# Altium PCB HTBLEBMSALL24S100A_PCB_V0.2_260323.pcbdoc (part 4 of 7)
Units mm, origin at the board's own origin, x right, y up, seen from the top; angles counter-clockwise.
Board outline 212.1 x 87.6 mm, 2 copper layers (Top Layer, Bottom Layer), stack 1.56 mm thick; 927 components, 443 nets, 2867 pads, 2632 vias.
Unrouted connection lines stored in the file: 1161.
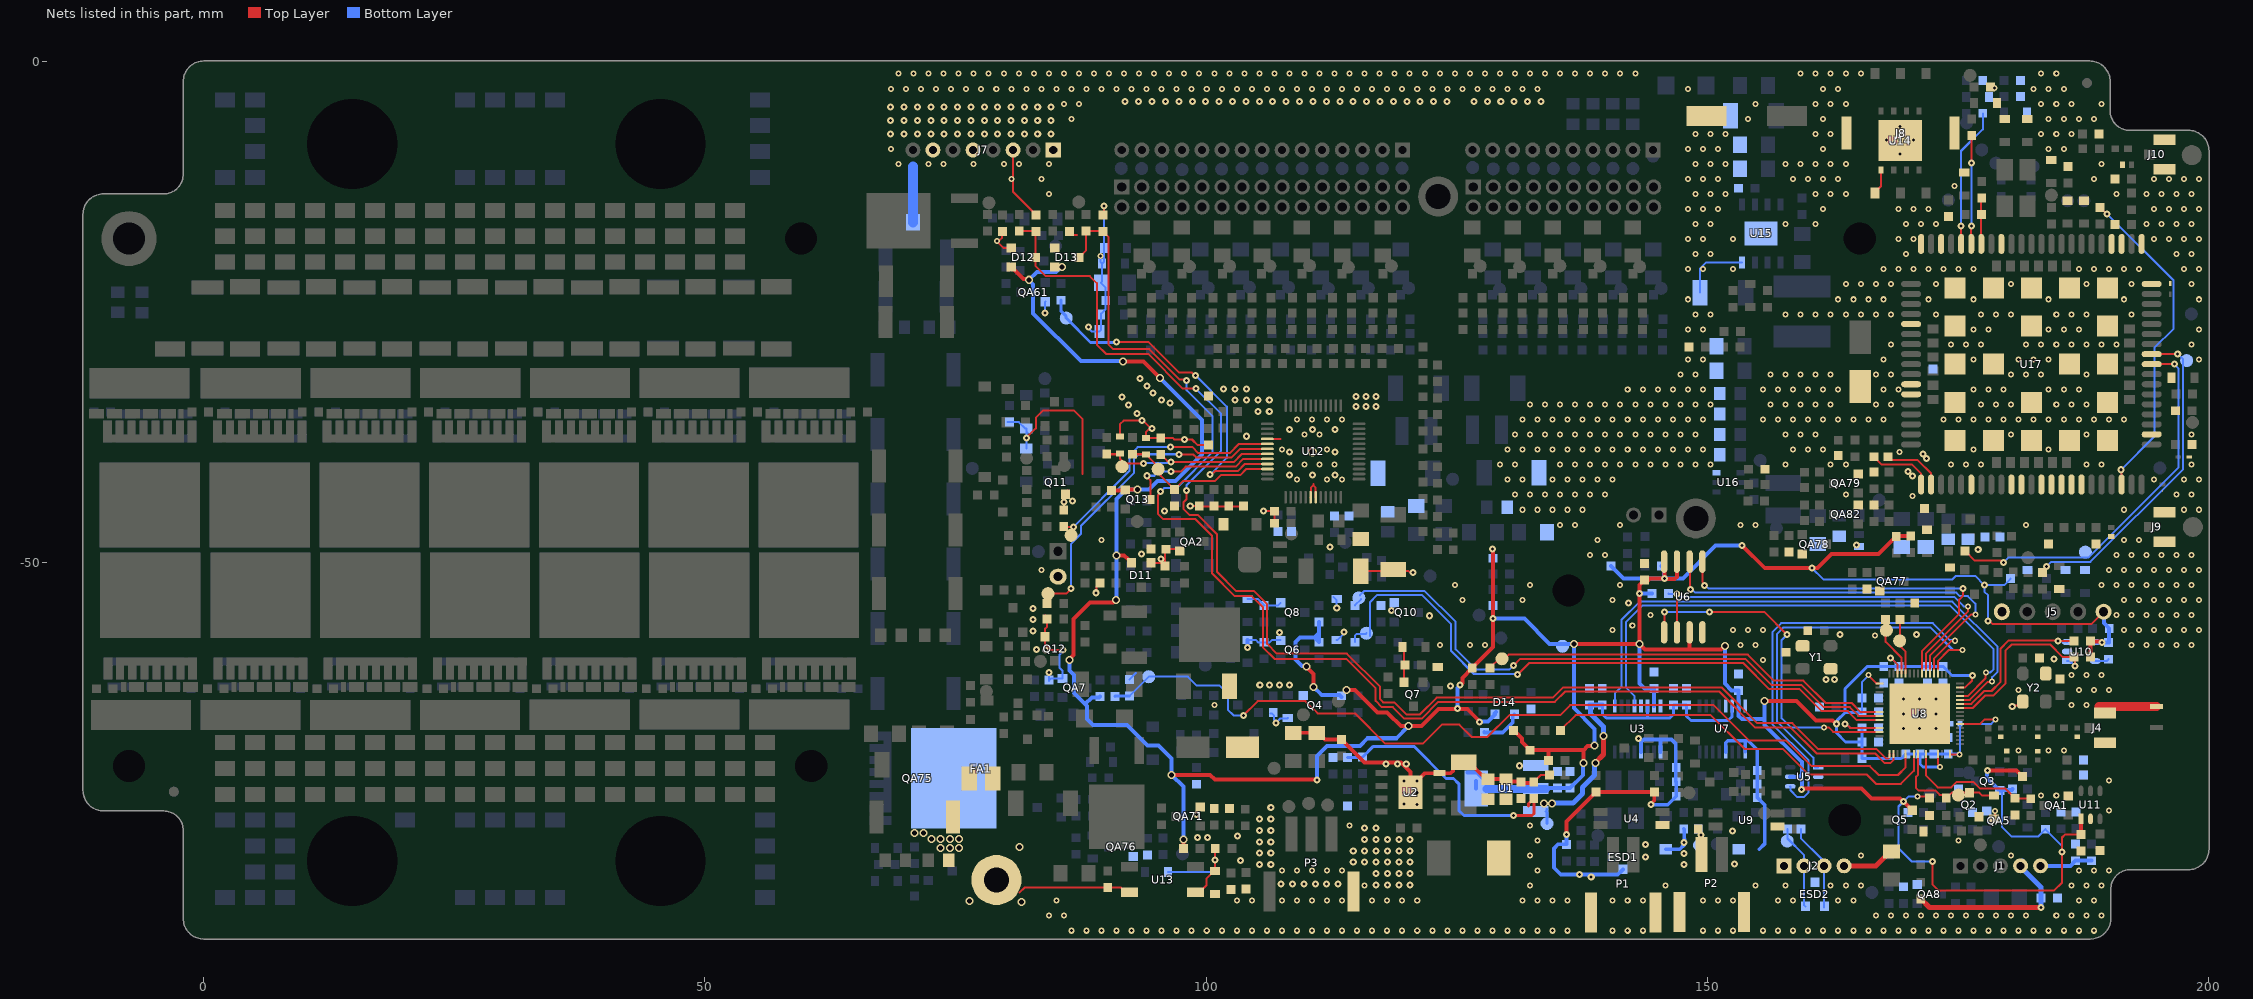
[diagram p4: the nets of this part, all layers, seen from the top]

## Via types
v1: diameter 0.7, hole 0.3, Top Layer to Bottom Layer, tented both sides, 1293 vias
v2: diameter 0.6, hole 0.3, Top Layer to Bottom Layer, tented both sides, 859 vias
v3: diameter 0.8, hole 0.4, Top Layer to Bottom Layer, tented both sides, 301 vias
v4: diameter 0.8, hole 0.5, Top Layer to Bottom Layer, tented both sides, 67 vias
v5: diameter 1.2, hole 0.7, Top Layer to Bottom Layer, tented both sides, 59 vias
v6: diameter 1.27, hole 0.711, Top Layer to Bottom Layer, tented both sides, 34 vias
v7: diameter 3, hole 2, Top Layer to Bottom Layer, tented both sides, 16 vias
v8: diameter 0.9, hole 0.6, Top Layer to Bottom Layer, tented both sides, 2 vias
v9: diameter 0.63, hole 0.3, Top Layer to Bottom Layer, tented both sides, 1 vias

## Nets (pads, with @x,y where several pads share a name; then routed paths per layer and width w, separated by ;. In a path a pad name is that pad's centre, name@x,y a point inside that pad or via, vN(x,y) a via of type N, cw(c..) or ccw(c..) an arc to the next point about the centre after c; other vN are vias at no path point) (continued)
Ext485B: P2.1 PTC1.1 R65.2 T21_1.1 | length 4.1
  Top Layer w0.2: R65.2@149.091,-76.55 R65.2@149.44,-76.899 ; v1(149.39,-77.17) 149.39,-79.06 P2.1@149.44,-79.11
  Bottom Layer w0.2: PTC1.1@149.091,-76.55 PTC1.1@149.435,-76.894 ; T21_1.1@149.22,-78.28 149.305,-78.195 149.305,-77.255 v1(149.39,-77.17)
GND: AE1.2 C2.2 C3.1 C4.1 C5.1 C7.1 C8.1 C9.1 C10.1 C11.1 C12.1 C13.1 C14.1 C15.1 C17.1 C18.1 C19.1 C27.2 C30.1 C31.2 C32.2 C33.1 C34.1 C35.1 C36.2 C37.2 C41.2 C42.2 C43.2 C44.1 C45.2 C46.2 C47.2 C48.2 C50.2 C51.2 C52.2 C53.1 C54.2 C55.2 C56.2 C57.1 C58.2 C59.2 C60.2 C61.2 C62.1 C63.1 C64.1 C65.1 C66.1 C67.1 C68.2 C70.2 C71.1 C72.1 C73.1 C74.1 C75.2 C76.1 C77.1 C78.2 C80.1 C81.2 C83.2 C84.2 C86.1 C87.1 C88.1 C89.1 C90.1 C91.1 C92.1 C94.1 C95.1 C97.1 C98.1 C99.1 C100.1 C101.1 C102.1 C104.1 C105.1 C107.1 C108.1 CA1.2 CA2.2 CA4.2 CA5.1 CA7.1 CA9.1 CA10.1 CA11.1 CA12.1 CA17.1 CA19.1 CA22.1 CA23.1 CA26.1 CA27.1 CA30.1 CA33.2 CA38.1 CA55.2 CA58.1 CA60.2 CA62.1 CA63.1 D1.1 D2.2 D3.1 D7.1 D8.1 D9.1 D11.1 D12.1 D13.1 D14.1 D15.1 D16.1 D17.1 D29.1 D30.1 D33.1 D34.1 D35.1 D36.1 D37.1 D38.1 D39.1 D40.1 D41.1 D42.1 D43.1 D44.2 D46.2 D47.2 D49.1 D50.2 D51.2 DA4.1 DA13.1 DA18.1 DA21.1 DA22.1 DA23.1 DA26.1 DA27.1 DA28.1 DA29.1 DA33.1 DA34.1 DA38.1 DA47.1 DA51.1 DA52.1 DA53.1 DA54.2 DA55.1 ESD2.3 IRt1.2 J2.1 J4.2 J4.3 J5.5 J7.1 J7.3 J7.5 J7.7 J8.C4 J8.C5 J8.C8 J9.2 J9.3 J10.2 J10.3 P1.0 P2.0 P3.0@114.72,-82.8 Q2.2 Q4.2 Q6.2 Q7.2 Q8.2 Q10.2 Q11.2 Q12.2 QA1.2 QA2.2 QA5.2 QA7.2 QA8.2 QA61.2 QA71.2 QA76.2 QA77.2 QA78.2 QA79.2 QA82.2 R11.2 R15.1 R16.2 R19.2 R20.2 R21.1 R30.2 R44.1 R48.1 R51.1 R52.1 R53.1 R55.1 R64.2 R78.1 R79.1 R80.1 R85.1 R90.2 R91.2 R105.2 R112.1 R114.1 R121.2 R125.1 R130.1 R136.1 R142.1 RA34.1 RA38.2 RA51.2 RA57.2 RA58.2 RA83.2 RA161.2 RA172.2 RA174.2 RA175.1 TVS1.2 TVS2.2 TVS3.2 TVS4.1 U1.1 U2.0 U2.8 U3.5 U3.8 U4.3 U5.2 U6.4 U7.5 U7.8 U8.65 U9.3 U10.2 U10.5 U11.2 U12.28 U12.42 U12.43 U14.1 U14.9 U15.0 U15.8 U16.3 U17.2 U17.17 U17.18 U17.29 U17.39 U17.45 U17.46 U17.54 U17.58 U17.59 U17.61 U17.62 U17.63 U17.64 U17.65 U17.69 U17.70 U17.71 U17.72 U17.73 U17.74 U17.75 U17.76 U17.77 U17.78 U17.79 U17.80 U17.81 U17.82 U17.83 U17.84 U17.85 U17.86 U17.87 U17.88 U17.89 U17.91 U17.92 U17.94 Y1.2 Y1.4 Y2.2 Y2.4 | length 176.3
  Top Layer w0.2: CA1.2@79.687,-16.948 79.648,-16.986 79.648,-17.575 79.38,-17.843 79.195,-17.843 v2(79.118,-17.92) 79.118,-17.943 79.775,-18.599 D12.1@80.558,-18.599 ; J7.3@80.746,-8.829 80.746,-13.017 C65.1@83.025,-15.297 ; v1(82.067,-37.545) 83.017,-36.595 83.017,-35.543 83.761,-34.799 86.796,-34.799 87.68,-35.683 87.68,-41.102 87.647,-41.136 ; RA51.2@83.922,-55.257 84.012,-55.348 RA51.2@84.012,-55.602 ; RA51.2@84.139,-55.602 84.139,-56.374 83.922,-56.591 Q12.2@83.922,-57.38 83.922,-58.137 84.475,-58.69 v1(85.739,-58.69) ; RA38.2@85.79,-44.746 85.818,-44.718 v1(85.818,-43.948) ; v1@85.841,-43.925 85.818,-43.902 85.818,-43.206 85.841,-43.183 85.841,-43.158 86.191,-42.808 Q11.2@86.216,-42.808 ; CA2.2@86.363,-16.948 86.708,-17.292 87.122,-17.292 ; v1(89.009,-53.001) 89.078,-52.931 89.078,-52.354 C63.1@89.422,-52.01 ; C66.1@89.702,-15.297 89.82,-15.178 v1(89.82,-14.409) ; D30.1@91.429,-37.43 91.429,-36.161 91.764,-35.826 93.711,-35.826 93.711,-35.837 94.472,-36.598 v1(94.577,-36.598) ; D11.1@94.477,-50.029 95.594,-50.029 C64.1@95.555,-49.989 ; v1@94.484,-36.598 94.388,-36.694 94.252,-36.694 94.004,-36.942 D29.1@94.004,-37.542 95.452,-37.542 CA60.2@95.467,-37.557 96.656,-37.557 96.811,-37.712 98.592,-37.712 99.148,-38.269 CA33.2@100.243,-38.269 ; C64.1@95.899,-50.334 95.899,-48.733 R20.2@95.975,-48.657 QA2.2@97.703,-48.657 ; v1(98.414,-44.365) 99.278,-44.365 99.316,-44.402 103.726,-44.402 103.72,-44.409 CA22.1@102.256,-44.409 ; CA27.1@99.316,-44.409 CA30.1@100.786,-44.409 ; v1(105.737,-44.854) 106.803,-44.854 CA12.1@106.821,-44.873 CA11.1@106.821,-46.066 CA11.1@106.821,-45.845 ; U12.28@106.113,-37.656 107.403,-37.656 107.405,-37.659 ; U12.42@110.432,-43.476 110.442,-43.465 110.442,-42.543 110.705,-42.28 ; 110.705,-42.145 110.705,-42.28 ; U12.43@110.932,-43.476 110.932,-42.507 110.705,-42.28 ; CA26.1@115.432,-47.794 CA26.1@115.686,-47.539 ; DA34.1@115.47,-50.842 120.199,-50.842 120.504,-51.146 120.634,-51.016 v1(120.634,-50.968) ; DA22.1@119.592,-58.413 119.719,-58.54 Q7.2@119.719,-62.002 ; C10.1@132.577,-71.971 133.369,-71.179 D2.2@134.27,-71.179 ; J8.C5@166.749,-13.135 166.749,-13.035 167.328,-12.457 U14.1@167.328,-10.832 ; D3.1@178.584,-75.521 178.71,-75.395 v2(178.71,-74.76) ; v1(180.42,-64.33) 180.496,-64.254 181.085,-64.254 Y2.2@181.475,-63.865 ; 189.02,-64.4 189.062,-64.358
  Top Layer w0.381: C3.1@108.673,-66.975 C4.1@111.049,-66.974 111.177,-66.975 111.855,-67.653 C5.1@113.504,-67.653 115.785,-69.934 119.454,-69.934 120.387,-70.868 120.387,-72.198 120.643,-72.198 121.842,-70.999 U2.8@123.296,-70.999 124.398,-70.999 124.621,-70.775 D1.1@124.621,-70.473 ; C10.1@132.577,-71.971 131.416,-71.971 131.273,-71.828 130.14,-71.828 C8.1@129.902,-71.59 C7.1@128.127,-71.59 128.038,-71.59 127.657,-71.209 127.517,-71.209 126.209,-69.901 D1.1@125.701,-69.901 ; D1.1@124.621,-70.473 125.193,-69.901 D1.1@125.701,-69.901 ; D1.1@124.621,-70.473 125.129,-70.473 D1.1@125.701,-69.901
  Top Layer w0.9: 189.062,-64.358 AE1.2@194.825,-64.358
  Bottom Layer w0.2: CA4.2@80.202,-35.983 81.308,-35.983 81.927,-36.602 DA27.1@82.054,-36.602 82.054,-37.126 ; DA28.1@82.054,-38.619 82.054,-37.126 ; v1(82.067,-37.545) 82.067,-37.113 ; v1(83.91,-25.086) 83.91,-24.019 QA61.2@83.961,-23.968 ; R51.1@84.309,-61.784 R51.1@84.317,-61.776 ; v1(84.317,-60.951) R51.1@84.317,-61.776 ; v1(85.739,-58.69) 85.739,-58.825 85.369,-59.196 85.369,-60.494 85.668,-60.794 QA7.2@85.668,-61.55 84.543,-61.55 R51.1@84.317,-61.776 ; v1(88.26,-26.51) 88.26,-26.63 88.559,-26.929 DA51.1@89.37,-26.929 89.524,-26.775 DA53.1@89.524,-25.249 89.524,-25.148 89.98,-24.692 CA63.1@89.98,-23.829 89.98,-22.553 RA174.2@89.496,-22.069 89.611,-21.954 DA52.1@89.611,-20.159 ; v2(89.45,-19.42) 89.45,-19.998 DA52.1@89.611,-20.159 ; v1(89.82,-14.409) DA54.2@89.82,-18.615 ; DA54.2@89.827,-18.622 DA54.2@89.82,-18.615 ; C27.2@92.369,-61.637 93.004,-61.002 ; DA23.1@104.139,-53.618 105.155,-53.618 R80.1@105.79,-54.253 ; DA21.1@104.18,-57.7 104.942,-57.7 105.221,-57.979 106.313,-57.979 106.593,-57.7 Q6.2@107.395,-57.7 ; R80.1@106.044,-54.253 107.187,-54.253 Q8.2@107.441,-53.999 ; R52.1@106.44,-65.04 106.552,-65.04 106.785,-65.273 106.785,-65.686 106.951,-65.852 v1(106.951,-65.987) 107.415,-65.523 108.117,-65.523 DA18.1@108.142,-65.497 ; D9.1@112.723,-53.438 112.965,-53.681 113.029,-53.745 v1(113.029,-54.507) ; D7.1@113.019,-57.7 113.12,-57.7 113.749,-57.071 v1(113.749,-56.938) ; v1@118.485,-54.791 v1(118.493,-54.784) ; D33.1@149.263,-23.067 149.263,-20.667 149.863,-20.066 U15.8@153.469,-20.066 ; v2@171.988,-14.617 v2@172.071,-14.617 ; U10.5@188.7,-59.812 189.86,-59.812 C44.1@190.042,-59.63 ; 82.054,-37.126 82.067,-37.113 ; 82.067,-37.113 82.181,-36.999 82.078,-36.999 82.067,-37.01 82.067,-37.113 ; DA52.1@89.611,-20.159 89.82,-19.95 DA54.2@89.82,-18.615
  Bottom Layer w0.381: v1(104.139,-58.462) DA21.1@104.139,-57.7 ; R105.2@127.747,-66.862 127.747,-66.898 R105.2@127.784,-66.935 129.592,-66.935 130.591,-65.936 130.591,-65.273 D14.1@130.745,-65.119
  Bottom Layer w1: 70.746,-10.464 70.776,-10.495 RA83.2@70.776,-16.053
  other v1: 116.948,-82.151 118.084,-82.151 119.221,-82.151 120.357,-82.151 107.481,-82.055 108.617,-82.055 109.753,-82.055 110.89,-82.055 112.026,-82.055 113.162,-82.055 116.948,-81.015 118.084,-81.015 119.221,-81.015 120.357,-81.015 105.309,-80.116 106.445,-80.116 114.675,-79.878 115.812,-79.878 116.948,-79.878 118.084,-79.878 119.221,-79.878 120.357,-79.878 103.45,-79.729 105.309,-78.98 106.445,-78.98 114.675,-78.742 115.812,-78.742 116.948,-78.742 118.084,-78.742 119.221,-78.742 120.357,-78.742 105.309,-77.843 106.445,-77.843 115.812,-77.606 116.948,-77.606 118.084,-77.606 119.221,-77.606 120.357,-77.606 99.155,-77.394 100.121,-77.394 103.11,-77.262 105.309,-76.707 106.445,-76.707 115.812,-76.469 116.948,-76.469 105.309,-75.571 106.445,-75.571 99.039,-75.141 106.445,-74.434 119.752,-74.095 121.025,-74.105 121.025,-72.953 119.752,-72.943 119.752,-71.791 121.025,-71.801 131.27,-70.259 117.953,-70.061 119.089,-70.061 119.963,-70.061 169.588,-66.549 171.17,-66.549 172.8,-66.549 169.588,-65.077 172.8,-65.077 169.588,-63.605 171.17,-63.605 172.8,-63.605 124.37,-62.317 105.348,-62.218 106.341,-62.218 107.334,-62.218 108.317,-62.218 161.86,-61.668 162.7,-61.65 184.57,-59.588 83.971,-58.69 83.059,-58.647 163.24,-57.188 170.87,-57.15 107.295,-56.976 82.724,-56.829 82.724,-55.693 122.266,-55.295 82.724,-54.556 142.158,-54.012 95.518,-49.622 93.541,-49.15 177.027,-48.706 112.338,-48.449 164.89,-48.26 95.869,-44.821 86.663,-43.869 170.477,-41.346 108.324,-41.231 110.589,-41.231 112.855,-41.231 170.03,-40.91 171.867,-39.606 171.507,-39.156 108.324,-38.965 112.855,-38.965 97.819,-37.712 104.025,-37.387 108.324,-36.699 110.589,-36.699 112.855,-36.699 93.594,-35.826 93.099,-35.127 105.159,-34.922 106.296,-34.922 114.939,-34.397 115.932,-34.397 116.925,-34.397 92.243,-34.284 96.4,-34.059 102.887,-33.786 104.023,-33.786 105.159,-33.786 106.296,-33.786 95.54,-33.759 91.59,-33.489 114.939,-33.404 115.932,-33.404 116.925,-33.404 94.71,-33.079 101.75,-32.65 102.887,-32.65 104.023,-32.65 94.09,-32.379 93.4,-31.649 169.199,-9.231 167.851,-7.849 169.199,-7.849 170.581,-7.849 68.531,-7.229 69.864,-7.229 71.198,-7.229 72.531,-7.229 73.865,-7.229 75.198,-7.229 76.532,-7.229 77.865,-7.229 79.199,-7.229 80.532,-7.229 81.866,-7.229 83.199,-7.229 84.533,-7.229 169.199,-6.5 68.531,-5.896 69.864,-5.896 71.198,-5.896 72.531,-5.896 73.865,-5.896 75.198,-5.896 76.532,-5.896 77.865,-5.896 79.199,-5.896 80.532,-5.896 81.866,-5.896 83.199,-5.896 84.533,-5.896 68.531,-4.562 69.864,-4.562 71.198,-4.562 72.531,-4.562 73.865,-4.562 75.198,-4.562 76.532,-4.562 77.865,-4.562 79.199,-4.562 80.532,-4.562 81.866,-4.562 83.199,-4.562 84.533,-4.562 91.924,-3.988 93.262,-3.988 94.6,-3.988 95.938,-3.988 97.277,-3.988 98.615,-3.988 99.953,-3.988 101.291,-3.988 102.629,-3.988 103.967,-3.988 105.305,-3.988 106.643,-3.988 107.981,-3.988 109.32,-3.988 110.658,-3.988 111.996,-3.988 113.334,-3.988 114.672,-3.988 116.01,-3.988 117.348,-3.988 118.686,-3.988 120.025,-3.988 121.358,-3.988 122.692,-3.988 124.025,-3.988 126.715,-3.988 128.053,-3.988 129.391,-3.988 130.729,-3.988 132.068,-3.988 133.406,-3.988
  other v2: 86.56,-86.72 88.06,-86.72 89.56,-86.72 91.06,-86.72 92.56,-86.72 94.06,-86.72 95.56,-86.72 97.06,-86.72 98.56,-86.72 100.06,-86.72 101.56,-86.72 103.06,-86.72 104.56,-86.72 106.06,-86.72 107.56,-86.72 109.06,-86.72 110.56,-86.72 112.06,-86.72 113.56,-86.72 115.06,-86.72 116.56,-86.72 118.06,-86.72 119.56,-86.72 121.06,-86.72 122.56,-86.72 124.06,-86.72 125.56,-86.72 127.06,-86.72 128.56,-86.72 130.06,-86.72 131.56,-86.72 133.06,-86.72 134.56,-86.72 136.06,-86.72 140.56,-86.72 142.06,-86.72 143.56,-86.72 149.56,-86.72 151.06,-86.72 152.56,-86.72 155.56,-86.72 157.06,-86.72 158.56,-86.72 160.06,-86.72 161.56,-86.72 163.06,-86.72 164.56,-86.72 166.06,-86.72 167.56,-86.72 169.06,-86.72 170.56,-86.72 172.06,-86.72 173.56,-86.72 175.06,-86.72 176.56,-86.72 178.06,-86.72 179.56,-86.72 181.06,-86.72 182.56,-86.72 184.06,-86.72 185.56,-86.72 187.06,-86.72 188.56,-86.72 84.31,-85.22 85.81,-85.22 166.81,-85.22 168.31,-85.22 169.81,-85.22 171.31,-85.22 172.81,-85.22 174.31,-85.22 175.81,-85.22 177.31,-85.22 178.81,-85.22 180.31,-85.22 181.81,-85.22 184.81,-85.22 186.31,-85.22 187.81,-85.22 189.31,-85.22 85.06,-83.72 103.06,-83.72 104.56,-83.72 107.56,-83.72 109.06,-83.72 110.56,-83.72 112.06,-83.72 113.56,-83.72 116.56,-83.72 118.06,-83.72 119.56,-83.72 121.06,-83.72 131.56,-83.72 133.06,-83.72 134.56,-83.72 136.06,-83.72 140.56,-83.72 142.06,-83.72 143.56,-83.72 149.56,-83.72 151.06,-83.72 152.56,-83.72 157.06,-83.72 158.56,-83.72 163.06,-83.72 164.56,-83.72 187.06,-83.72 188.56,-83.72 115.81,-82.22 132.31,-82.22 145.81,-82.22 154.81,-82.22 157.81,-82.22 162.31,-82.22 163.81,-82.22 165.31,-82.22 186.31,-82.22 187.81,-82.22 189.31,-82.22 107.56,-80.72 109.06,-80.72 110.56,-80.72 112.06,-80.72 113.56,-80.72 133.06,-80.72 187.06,-80.72 188.56,-80.72 190.06,-80.72 132.31,-79.22 165.31,-79.22 180.31,-79.22 133.06,-77.72 175.06,-77.72 114.31,-76.22 132.31,-76.22 190.06,-74.72 183.31,-73.22 184.81,-73.22 190.06,-71.72 181.06,-68.72 184.06,-68.72 185.56,-68.72 100.81,-64.22 186.31,-64.22 187.81,-64.22 181.06,-62.72 187.06,-62.72 188.56,-62.72 190.06,-62.72 186.31,-61.22 187.81,-61.22 189.31,-61.22 155.56,-59.72 123.31,-58.22 126.31,-58.22 127.81,-58.22 153.31,-58.22 154.81,-58.22 192.31,-58.22 193.81,-58.22 195.31,-58.22 196.81,-58.22 198.31,-58.22 166.72,-57.28 140.56,-56.72 152.56,-56.72 154.06,-56.72 155.56,-56.72 191.56,-56.72 193.06,-56.72 194.56,-56.72 196.06,-56.72 197.56,-56.72 199.06,-56.72 142.51,-56.29 144.31,-55.22 190.81,-55.22 192.31,-55.22 193.81,-55.22 195.31,-55.22 196.81,-55.22 198.31,-55.22 125.56,-53.72 131.56,-53.72 140.56,-53.72 191.56,-53.72 193.06,-53.72 194.56,-53.72 196.06,-53.72 197.56,-53.72 199.06,-53.72 124.81,-52.22 132.31,-52.22 141.31,-52.22 189.31,-52.22 190.81,-52.22 192.31,-52.22 193.81,-52.22 195.31,-52.22 196.81,-52.22 198.31,-52.22 83.56,-50.72 190.06,-50.72 191.56,-50.72 193.06,-50.72 194.56,-50.72 196.06,-50.72 197.56,-50.72 199.06,-50.72 138.31,-49.22 139.81,-49.22 190.81,-49.22 192.31,-49.22 193.81,-49.22 195.31,-49.22 196.81,-49.22 198.31,-49.22 89.56,-47.72 139.06,-47.72 191.56,-47.72 193.06,-47.72 135.31,-46.22 136.81,-46.22 141.31,-46.22 153.31,-46.22 154.81,-46.22 181.81,-46.22 131.56,-44.72 133.06,-44.72 134.56,-44.72 136.06,-44.72 137.56,-44.72 191.56,-44.72 197.56,-44.72 199.06,-44.72 170.45,-43.37 130.81,-43.22 132.31,-43.22 133.81,-43.22 135.31,-43.22 136.81,-43.22 138.31,-43.22 139.81,-43.22 163.81,-43.22 196.81,-43.22 198.31,-43.22 109.06,-41.72 112.06,-41.72 113.56,-41.72 130.06,-41.72 131.56,-41.72 134.56,-41.72 136.06,-41.72 137.56,-41.72 139.06,-41.72 140.56,-41.72 194.56,-41.72 197.56,-41.72 199.06,-41.72 108.31,-40.22 109.81,-40.22 111.31,-40.22 112.81,-40.22 129.31,-40.22 130.81,-40.22 135.31,-40.22 136.81,-40.22 138.31,-40.22 139.81,-40.22 141.31,-40.22 142.81,-40.22 144.31,-40.22 145.81,-40.22 147.31,-40.22 148.81,-40.22 150.31,-40.22 157.81,-40.22 162.31,-40.22 163.81,-40.22 174.31,-40.22 175.81,-40.22 177.31,-40.22 187.81,-40.22 189.31,-40.22 198.31,-40.22 169.19,-38.98 107.56,-38.72 112.06,-38.72 130.06,-38.72 131.56,-38.72 133.06,-38.72 134.56,-38.72 136.06,-38.72 137.56,-38.72 139.06,-38.72 140.56,-38.72 142.06,-38.72 143.56,-38.72 145.06,-38.72 146.56,-38.72 148.06,-38.72 149.56,-38.72 158.56,-38.72 160.06,-38.72 161.56,-38.72 176.56,-38.72 184.06,-38.72 109.81,-37.22 111.31,-37.22 130.81,-37.22 132.31,-37.22 133.81,-37.22 135.31,-37.22 136.81,-37.22 138.31,-37.22 139.81,-37.22 141.31,-37.22 142.81,-37.22 144.31,-37.22 145.81,-37.22 147.31,-37.22 148.81,-37.22 157.81,-37.22 159.31,-37.22 160.81,-37.22 180.31,-37.22 187.81,-37.22 198.31,-37.22 109.06,-35.72 110.56,-35.72 112.06,-35.72 113.56,-35.72 131.56,-35.72 133.06,-35.72 134.56,-35.72 136.06,-35.72 137.56,-35.72 139.06,-35.72 140.56,-35.72 142.06,-35.72 143.56,-35.72 145.06,-35.72 146.56,-35.72 148.06,-35.72 149.56,-35.72 155.56,-35.72 157.06,-35.72 158.56,-35.72 160.06,-35.72 161.56,-35.72 163.06,-35.72 164.56,-35.72 166.06,-35.72 167.56,-35.72 173.56,-35.72 175.06,-35.72 176.56,-35.72 178.06,-35.72 179.56,-35.72 181.06,-35.72 182.56,-35.72 184.06,-35.72 185.56,-35.72 187.06,-35.72 188.56,-35.72 190.06,-35.72 191.56,-35.72 132.31,-34.22 133.81,-34.22 135.31,-34.22 136.81,-34.22 138.31,-34.22 139.81,-34.22 141.31,-34.22 142.81,-34.22 144.31,-34.22 145.81,-34.22 147.31,-34.22 148.81,-34.22 150.31,-34.22 156.31,-34.22 157.81,-34.22 159.31,-34.22 160.81,-34.22 162.31,-34.22 166.81,-34.22 168.31,-34.22 177.31,-34.22 178.81,-34.22 180.31,-34.22 184.81,-34.22 186.31,-34.22 187.81,-34.22 142.06,-32.72 143.56,-32.72 145.06,-32.72 146.56,-32.72 148.06,-32.72 149.56,-32.72 155.56,-32.72 157.06,-32.72 158.56,-32.72 160.06,-32.72 161.56,-32.72 163.06,-32.72 167.56,-32.72 169.06,-32.72 176.56,-32.72 178.06,-32.72 179.56,-32.72 184.06,-32.72 185.56,-32.72 187.06,-32.72 147.31,-31.22 148.81,-31.22 156.31,-31.22 157.81,-31.22 159.31,-31.22 160.81,-31.22 162.31,-31.22 166.81,-31.22 168.31,-31.22 180.31,-31.22 181.81,-31.22 183.31,-31.22 187.81,-31.22 148.06,-29.72 149.56,-29.72 167.56,-29.72 176.56,-29.72 181.06,-29.72 182.56,-29.72 184.06,-29.72 199.06,-29.72 168.31,-28.22 174.31,-28.22 175.81,-28.22 177.31,-28.22 181.81,-28.22 183.31,-28.22 184.81,-28.22 186.31,-28.22 187.81,-28.22 189.31,-28.22 190.81,-28.22 198.31,-28.22 148.06,-26.72 149.56,-26.72 176.56,-26.72 178.06,-26.72 184.06,-26.72 185.56,-26.72 187.06,-26.72 199.06,-26.72 148.81,-25.22 150.31,-25.22 157.81,-25.22 159.31,-25.22 160.81,-25.22 162.31,-25.22 163.81,-25.22 165.31,-25.22 166.81,-25.22 168.31,-25.22 172.81,-25.22 177.31,-25.22 178.81,-25.22 180.31,-25.22 184.81,-25.22 186.31,-25.22 187.81,-25.22 192.31,-25.22 148.06,-23.72 163.06,-23.72 164.56,-23.72 166.06,-23.72 167.56,-23.72 172.06,-23.72 176.56,-23.72 184.06,-23.72 191.56,-23.72 199.06,-23.72 163.81,-22.22 165.31,-22.22 166.81,-22.22 168.31,-22.22 172.81,-22.22 180.31,-22.22 187.81,-22.22 192.31,-22.22 198.31,-22.22 148.06,-20.72 149.56,-20.72 152.56,-20.72 167.56,-20.72 169.06,-20.72 170.56,-20.72 172.06,-20.72 173.56,-20.72 175.06,-20.72 176.56,-20.72 187.06,-20.72 188.56,-20.72 190.06,-20.72 191.56,-20.72 193.06,-20.72 197.56,-20.72 199.06,-20.72 148.81,-19.22 150.31,-19.22 169.81,-19.22 196.81,-19.22 198.31,-19.22 148.06,-17.72 149.56,-17.72 152.56,-17.72 169.06,-17.72 170.56,-17.72 194.56,-17.72 196.06,-17.72 197.56,-17.72 199.06,-17.72 148.81,-16.22 150.31,-16.22 157.81,-16.22 160.81,-16.22 169.81,-16.22 171.31,-16.22 172.81,-16.22 193.81,-16.22 195.31,-16.22 196.81,-16.22 198.31,-16.22 148.06,-14.72 149.56,-14.72 151.06,-14.72 161.56,-14.72 169.06,-14.72 170.56,-14.72 172.06,-14.72 194.56,-14.72 196.06,-14.72 197.56,-14.72 199.06,-14.72 84.31,-13.22 148.81,-13.22 150.31,-13.22 151.81,-13.22 160.81,-13.22 162.31,-13.22 163.81,-13.22 190.81,-13.22 193.81,-13.22 195.31,-13.22 196.81,-13.22 198.31,-13.22 174.67,-12.44 80.56,-11.72 83.56,-11.72 148.06,-11.72 149.56,-11.72 151.06,-11.72 158.56,-11.72 160.06,-11.72 161.56,-11.72 163.06,-11.72 188.56,-11.72 194.56,-11.72 196.06,-11.72 197.56,-11.72 199.06,-11.72 69.31,-10.22 72.31,-10.22 73.81,-10.22 76.81,-10.22 79.81,-10.22 81.31,-10.22 84.31,-10.22 148.81,-10.22 150.31,-10.22 151.81,-10.22 157.81,-10.22 159.31,-10.22 160.81,-10.22 162.31,-10.22 163.81,-10.22 189.31,-10.22 68.56,-8.72 148.06,-8.72 149.56,-8.72 151.06,-8.72 161.56,-8.72 184.06,-8.72 185.56,-8.72 148.81,-7.22 150.31,-7.22 151.81,-7.22 160.81,-7.22 162.31,-7.22 183.31,-7.22 184.81,-7.22 186.31,-7.22 86.56,-5.72 154.06,-5.72 161.56,-5.72 184.06,-5.72 185.56,-5.72 187.06,-5.72 188.56,-5.72 85.81,-4.22 87.31,-4.22 154.81,-4.22 160.81,-4.22 162.31,-4.22 163.81,-4.22 183.31,-4.22 184.81,-4.22 186.31,-4.22 189.31,-4.22 68.56,-2.72 70.06,-2.72 71.56,-2.72 73.06,-2.72 74.56,-2.72 76.06,-2.72 77.56,-2.72 79.06,-2.72 80.56,-2.72 82.06,-2.72 83.56,-2.72 85.06,-2.72 86.56,-2.72 88.06,-2.72 89.56,-2.72 91.06,-2.72 92.56,-2.72 94.06,-2.72 95.56,-2.72 97.06,-2.72 98.56,-2.72 100.06,-2.72 101.56,-2.72 103.06,-2.72 104.56,-2.72 106.06,-2.72 107.56,-2.72 109.06,-2.72 110.56,-2.72 112.06,-2.72 113.56,-2.72 115.06,-2.72 116.56,-2.72 118.06,-2.72 119.56,-2.72 121.06,-2.72 122.56,-2.72 124.06,-2.72 125.56,-2.72 127.06,-2.72 128.56,-2.72 130.06,-2.72 131.56,-2.72 133.06,-2.72 148.06,-2.72 161.56,-2.72 163.06,-2.72 182.56,-2.72 184.06,-2.72 185.56,-2.72 178.67,-2.65 69.31,-1.22 70.81,-1.22 72.31,-1.22 73.81,-1.22 75.31,-1.22 76.81,-1.22 78.31,-1.22 79.81,-1.22 81.31,-1.22 82.81,-1.22 84.31,-1.22 85.81,-1.22 87.31,-1.22 88.81,-1.22 90.31,-1.22 91.81,-1.22 93.31,-1.22 94.81,-1.22 96.31,-1.22 97.81,-1.22 99.31,-1.22 100.81,-1.22 102.31,-1.22 103.81,-1.22 105.31,-1.22 106.81,-1.22 108.31,-1.22 109.81,-1.22 111.31,-1.22 112.81,-1.22 114.31,-1.22 115.81,-1.22 117.31,-1.22 118.81,-1.22 120.31,-1.22 121.81,-1.22 123.31,-1.22 124.81,-1.22 126.31,-1.22 127.81,-1.22 129.31,-1.22 130.81,-1.22 132.31,-1.22 133.81,-1.22 135.31,-1.22 136.81,-1.22 138.31,-1.22 139.81,-1.22 141.31,-1.22 142.81,-1.22 159.31,-1.22 160.81,-1.22 162.31,-1.22 163.81,-1.22 165.31,-1.22 183.31,-1.22 184.81,-1.22